# Altium PCB etna-pcb-main.PcbDoc
Units mm, origin at the board's own origin, x right, y up, seen from the top; angles counter-clockwise.
Board outline 70 x 35 mm, 4 copper layers (Top, Ground, Power, Bottom), stack 0.98 mm thick; 89 components, 45 nets, 283 pads, 895 vias.
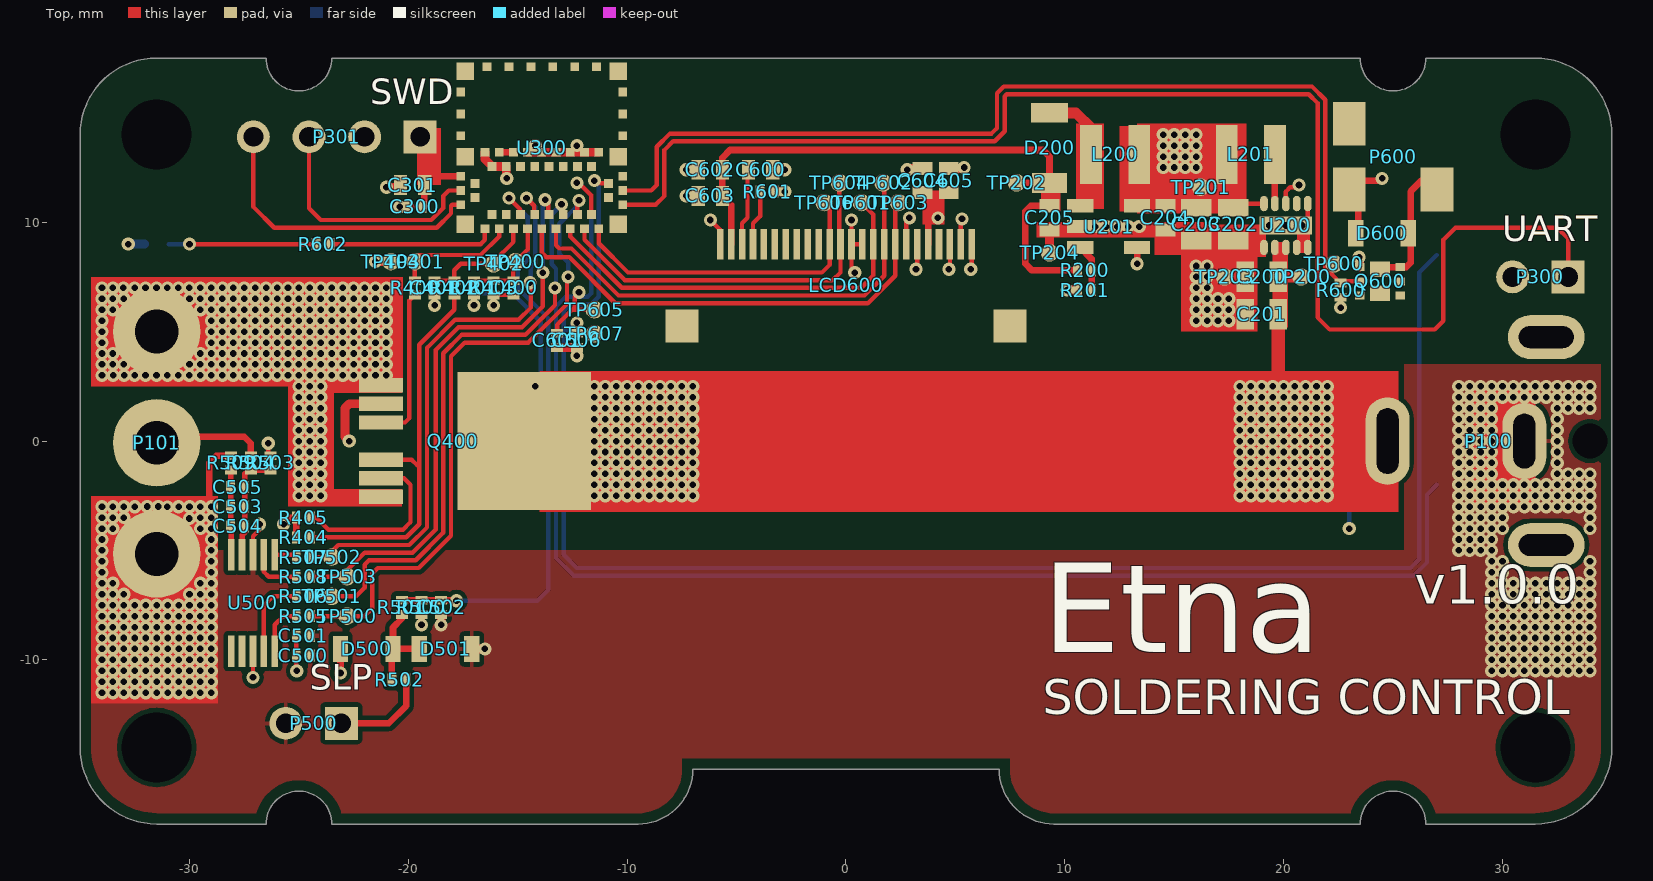
[diagram p0: Top view]
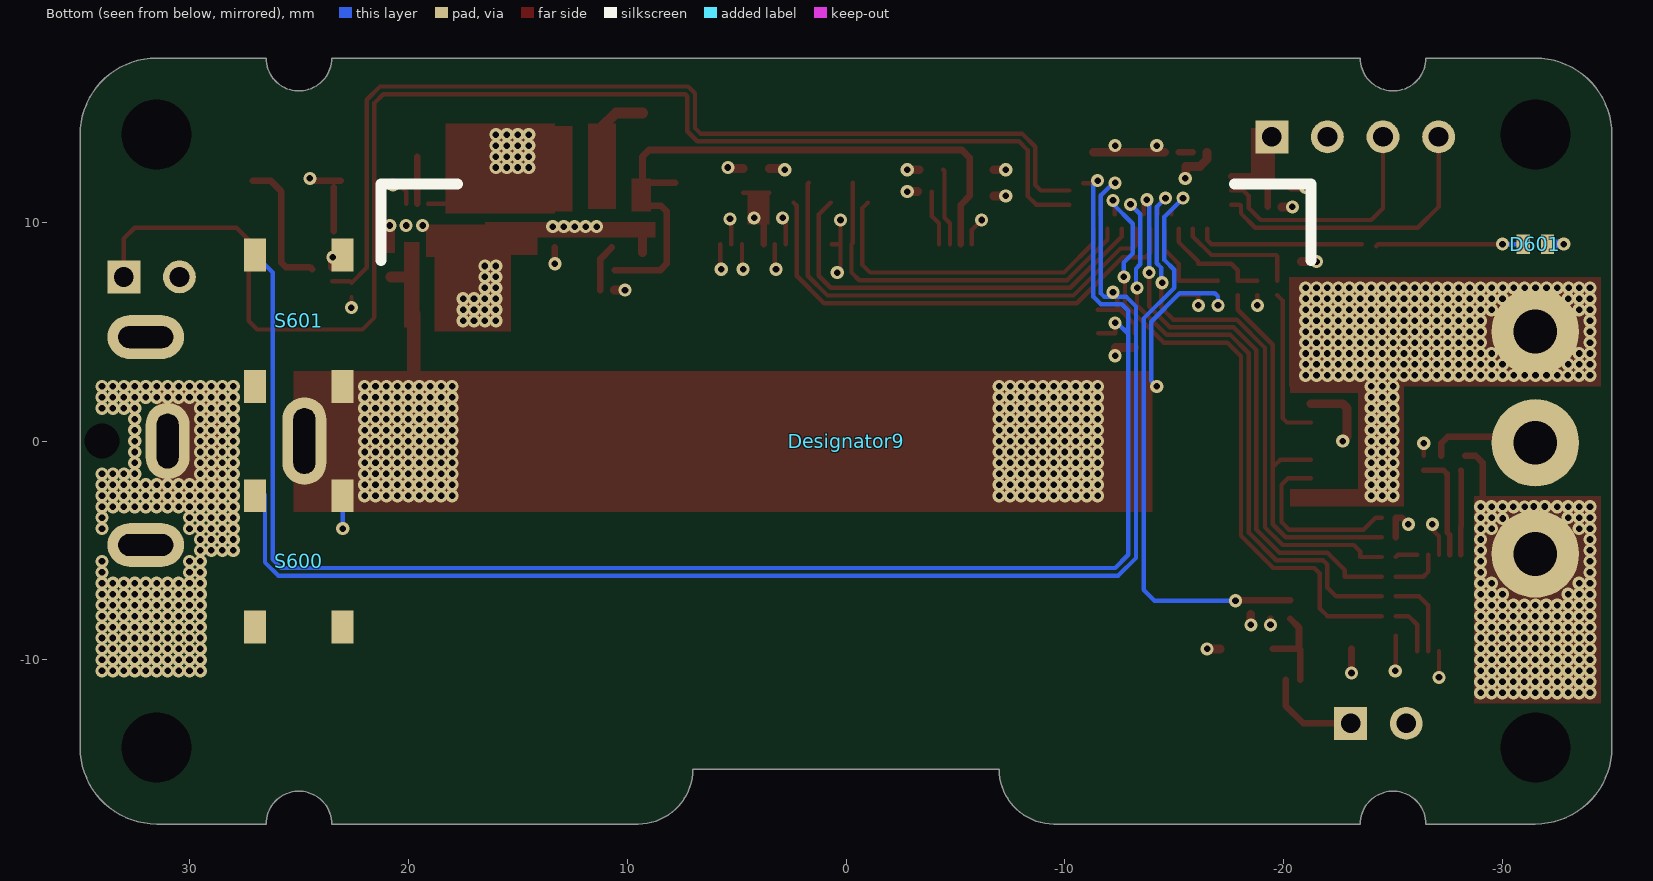
[diagram p1: Bottom view, seen from below]
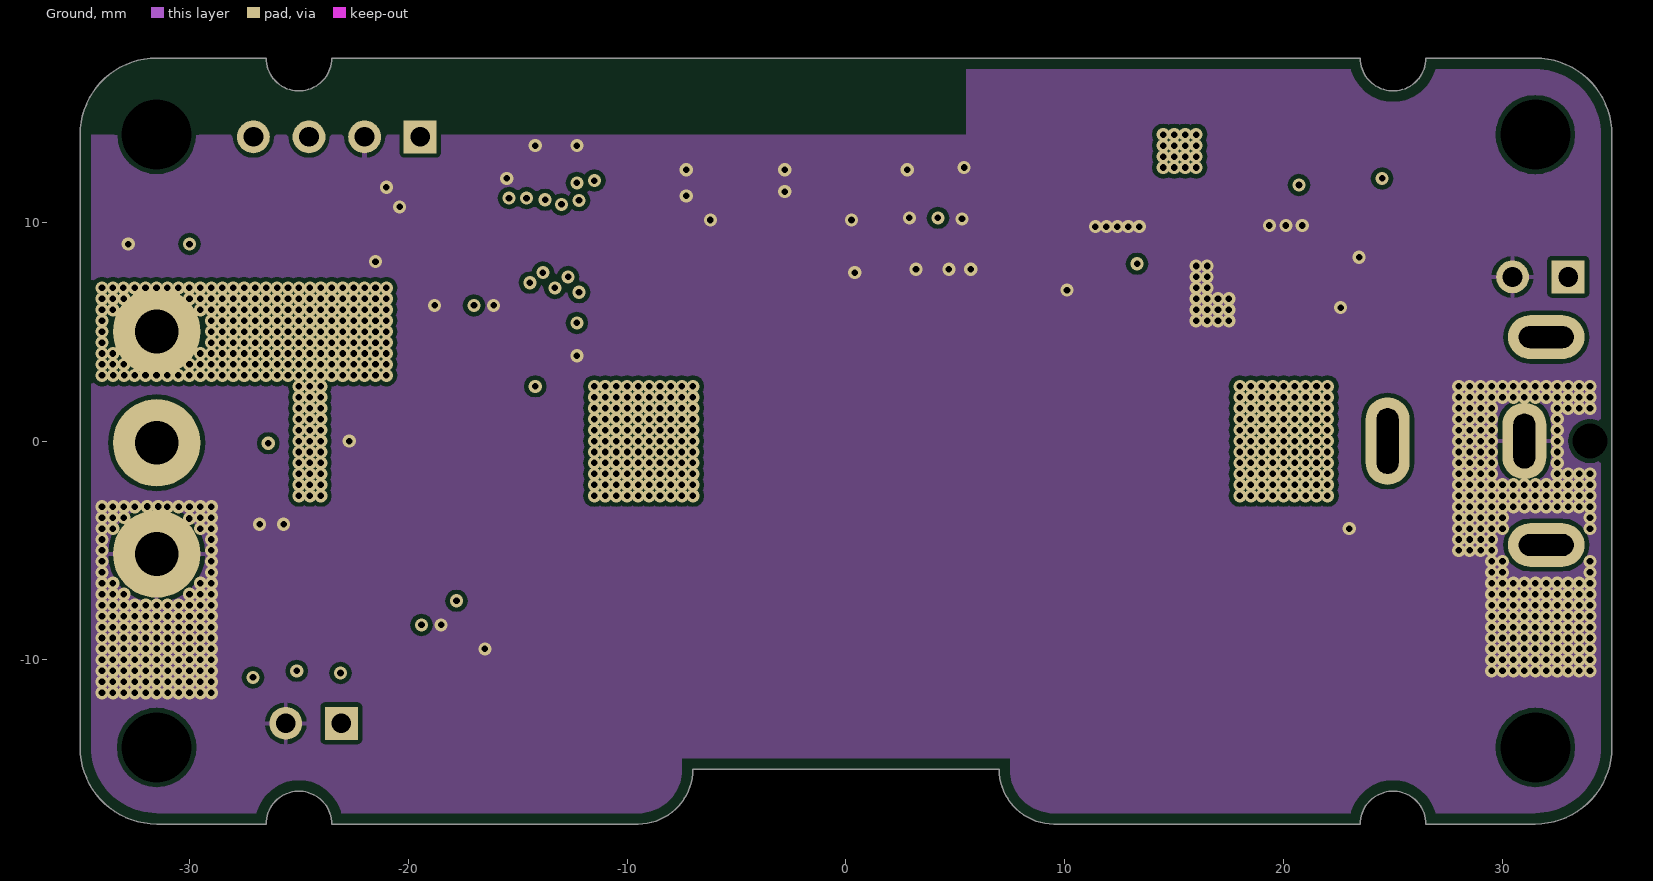
[diagram p2: Ground]
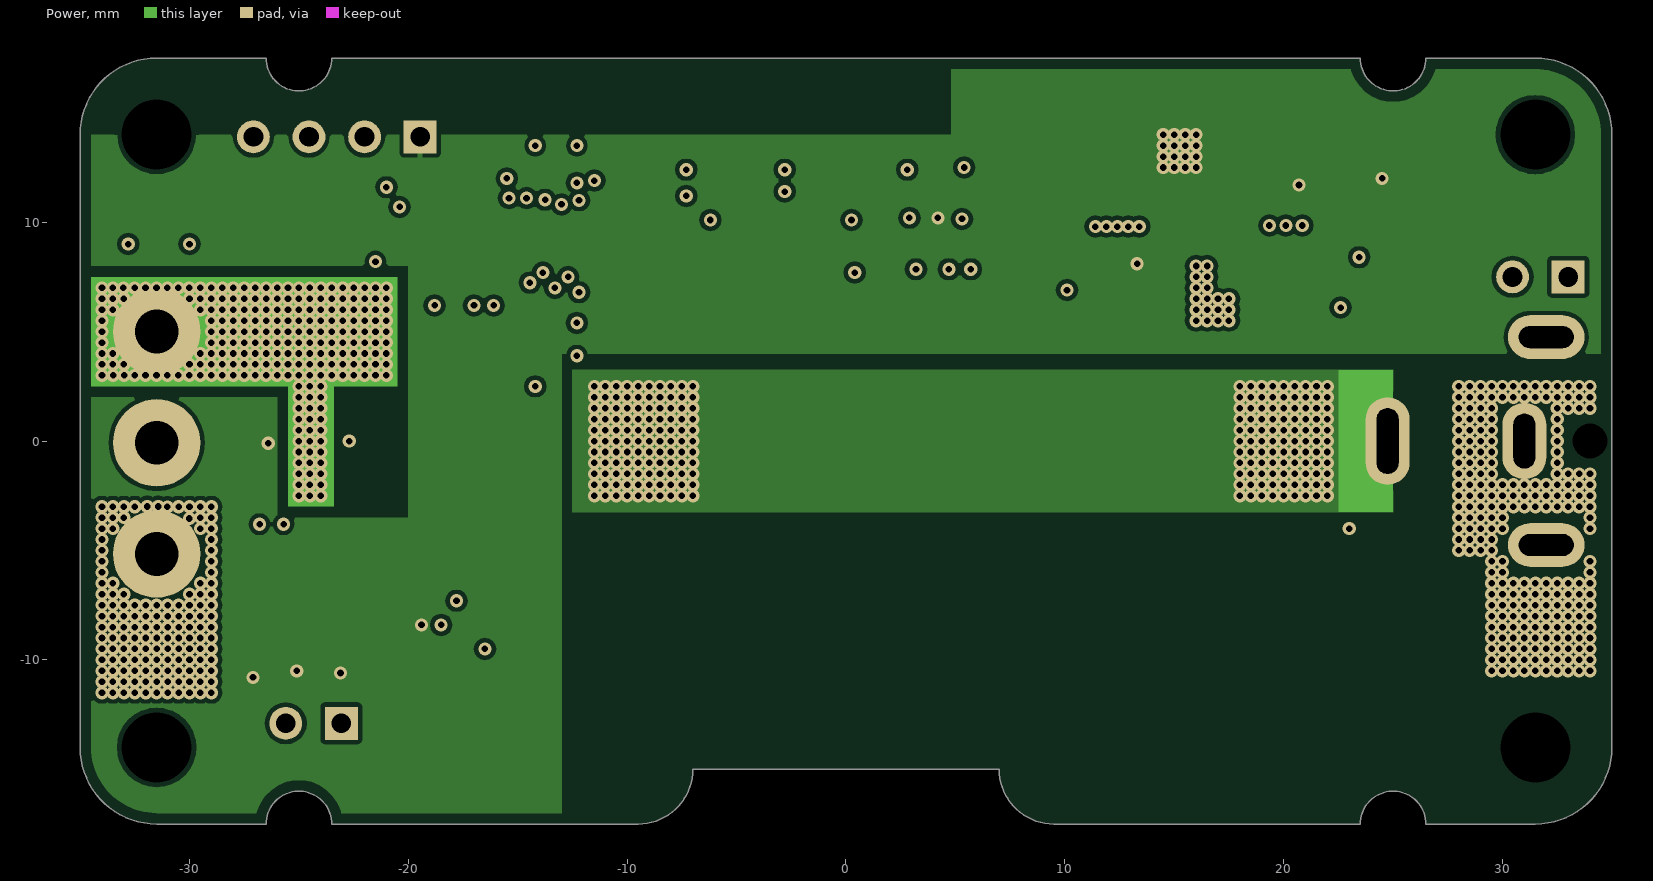
[diagram p3: Power]
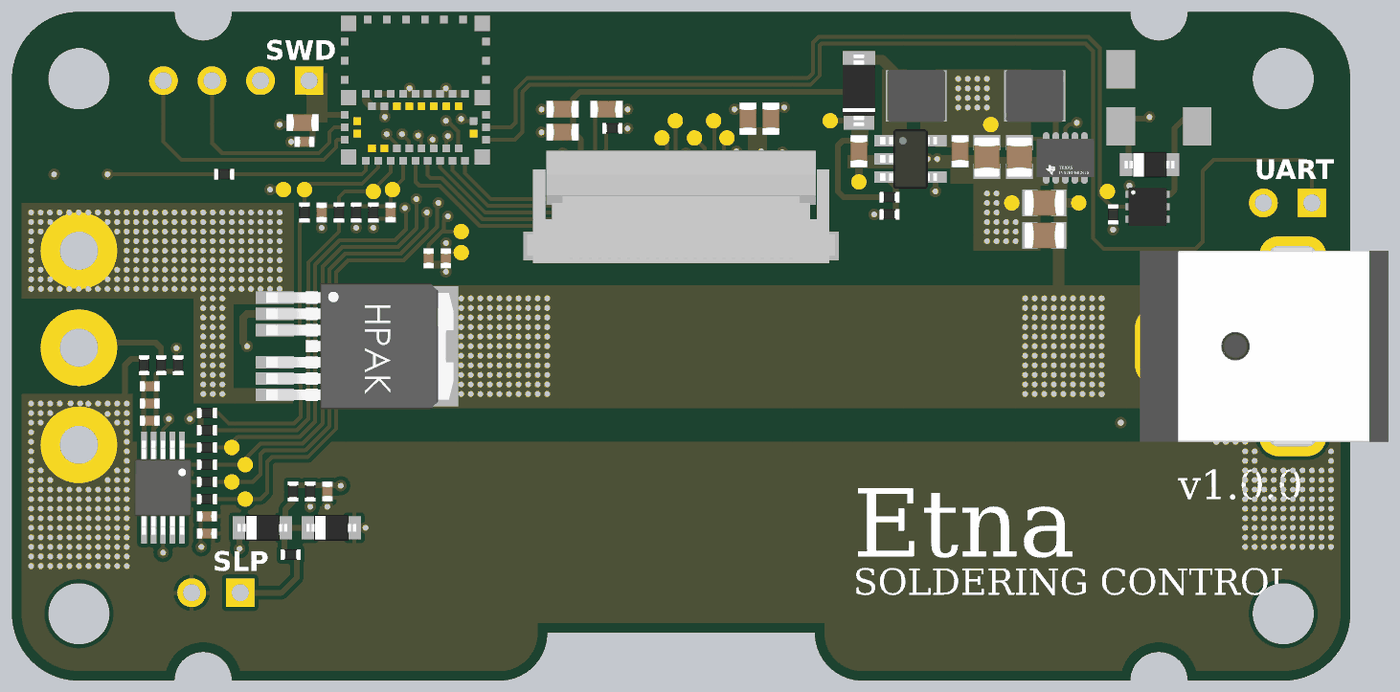
[diagram p4: 3D render of the assembled board from above, using the file's embedded part models]
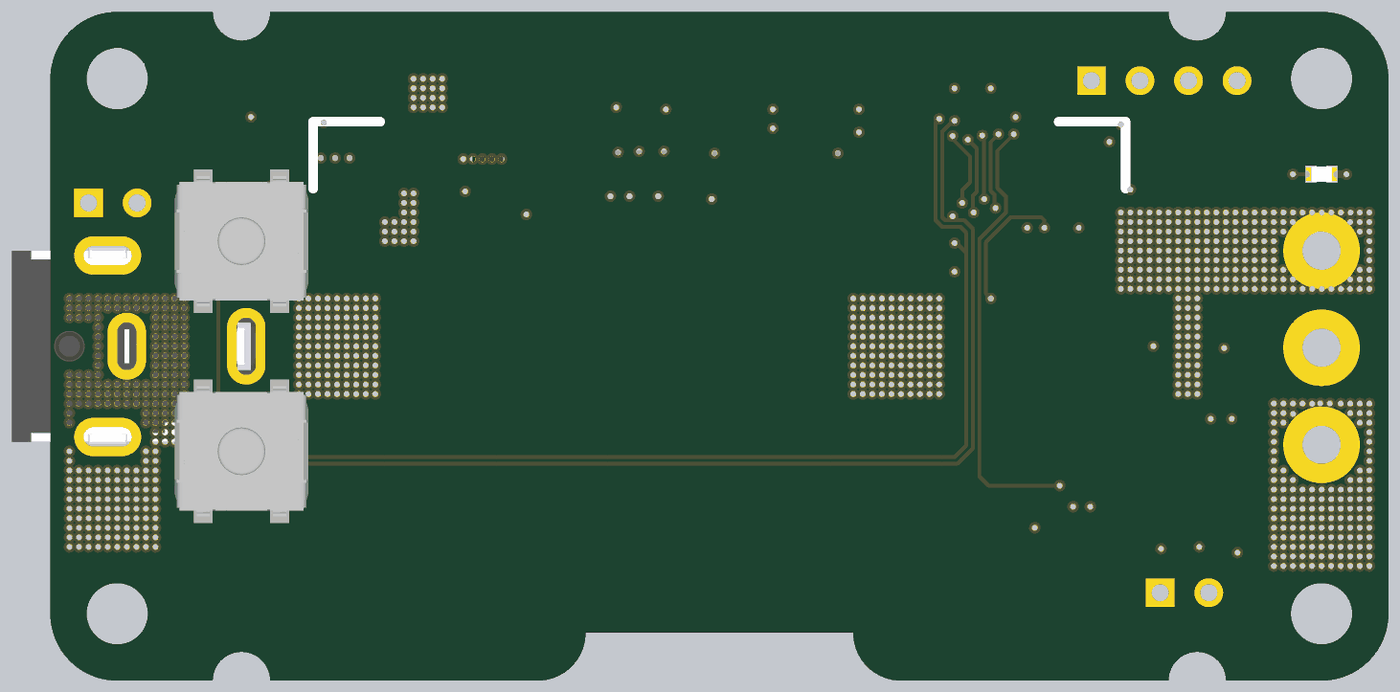
[diagram p5: 3D render of the assembled board from below, using the file's embedded part models]

## Layer stack, top to bottom
Top Solder: solder mask 0.01, Solder Resist, Dk 3.5
Top: signal copper 0.035
Dielectric1: core 0.2, FR-4, Dk 4.8
Ground: signal copper 0.035
Dielectric2: prepreg 0.44, FR-4, Dk 4.8
Power: signal copper 0.035
Dielectric3: core 0.2, FR-4, Dk 4.8
Bottom: signal copper 0.035
Bottom Solder: solder mask 0.01, Solder Resist, Dk 3.5

## Board outline
-31.5,-17.5 -26.5,-17.5 cw(c-25,-17.5) -23.5,-17.5 -9.5,-17.5 ccw(c-9.5,-15) -7,-15 7,-15 ccw(c9.5,-15) 9.5,-17.5 23.5,-17.5 cw(c25,-17.5) 26.5,-17.5 31.5,-17.5 ccw(c31.5,-14) 35,-14 35,14 ccw(c31.5,14) 31.5,17.5 26.5,17.5 cw(c25,17.5) 23.5,17.5 -23.5,17.5 cw(c-25,17.5) -26.5,17.5 -31.5,17.5 ccw(c-31.5,14) -35,14 -35,-14 ccw(c-31.5,-14)

## Design rules (kind name [scope] priority, off if disabled: settings)
Clearance Clearance_1 [InPolygon] p1: gap=0.2 ignorepadtopadclearanceinfootprint=FALSE except(0: Arc-Hole Track-Hole SMDPad-Hole THPad-Hole Via-Hole Fill-Hole Poly-Hole Region-Hole Text-Hole)
Clearance [All] p2: gap=0.15 ignorepadtopadclearanceinfootprint=FALSE except(0: Arc-Hole Track-Hole SMDPad-Hole THPad-Hole Via-Hole Fill-Hole Poly-Hole Region-Hole Text-Hole)
ComponentClearance [All] p1: gap=0 collisioncheckmode=3 verticalgap=0 showdistances=FALSE
DiffPairsRouting [All] p1: maxlimit=0.254 minlimit=0.2 mostfreqgap=0.254 toplayer_minwidth=0.2 toplayer_maxwidth=0.381 toplayer_prefwidth=0.381 midlayer1_minwidth=0.2 midlayer1_maxwidth=0.381 midlayer1_prefwidth=0.381 midlayer2_minwidth=0.2 midlayer2_maxwidth=0.381 midlayer2_prefwidth=0.381 bottomlayer_minwidth=0.2 bottomlayer_maxwidth=0.381 bottomlayer_prefwidth=0.381 maxuncoupledlength=12.7
HoleSize [All] p1: absolutevalues=TRUE maxlimit=10 minlimit=0.1 maxpercent=80.000 minpercent=20.000
HoleToHoleClearance [All] p1: gap=0.1 allowstackedmicrovias=TRUE
MinimumAnnularRing [All] p1: minimumring=0
MinimumSolderMaskSliver [All] p1: minsoldermaskwidth=0.05
PolygonConnect PolygonConnect_via [IsVia] p1: connectstyle=Direct reliefconductorwidth=0.254 reliefentries=4 polygonreliefangle="90 Angle" airgapwidth=0.254
PolygonConnect [All] p2: connectstyle=Relief reliefconductorwidth=0.2 reliefentries=4 polygonreliefangle="90 Angle" airgapwidth=0.2
RoutingVias [All] p1: holewidth=0.2 width=0.4 viastyle="Through Hole" minholewidth=0.2 minwidth=0.4 maxholewidth=2 maxwidth=5
SilkToSilkClearance [All] p1: silktosilkclearance=0
SilkToSolderMaskClearance SilkscreenOverComponentPads [IsPad] p1: minsilkscreentomaskgap=0 clearancetoexposedcopper=TRUE
SolderMaskExpansion [All] p1: expansion=0
Width [All] p1: maxlimit=100 minlimit=0.1 preferedwidth=0.1
23 further rules are at their usual default settings.

## Classes and differential pairs
component class etna-sch-connectors: P100 P101
component class etna-sch-pmic: C200 C201 C202 C203 C204 C205 D200 L200 L201 R200 R201 TP200 TP201 TP202 TP203 TP204 U200 U201
component class etna-sch-sensor: C500 C501 C502 C503 C504 C505 D500 D501 P500 R500 R501 R502 R503 R504 R505 R506 R507 R508 R509 TP500 TP501 TP502 TP503 U500
component class etna-sch-driver: C400 C401 Q400 R400 R401 R402 R403 R404 R405 TP400 TP401 TP402 TP403
component class etna-sch-ui: C600 C601 C602 C603 C604 C605 C606 D600 D601 LCD600 P600 Q600 R600 R601 R602 S601 TP600 TP601 TP602 TP603 TP604 TP605 TP606 TP607
component class etna-sch-mcu: C300 C301 P300 P301 U300

## Components (designator, comment, footprint, x,y, rotation, side; value= is the part's Value field where it differs from the comment)
C200 "2u2 (35V)" 0805-CAP 19,7.5 r0 top
C201 "2u2 (35V)" 0805-CAP 19,5.8 r0 top
C202 "22u" 0805-CAP 17.7,9.9 r90 top
C203 "22u" 0805-CAP 16,9.9 r90 top
C204 "2u2" 0603-capacitor 14.6,10.2 r90 top
C205 "2u2 (16V)" 0603-capacitor 9.3,10.2 r90 top
C300 "1u" 0402-capacitor -19.7,10.7 r0 top
C301 "10u" 0603-capacitor -19.8,11.7 r0 top
C400 "100n" 0402-capacitor -15.2,7 r90 top
C401 "100n" 0402-capacitor -18.8,7 r90 top
C500 "100n" 0402-capacitor -24.8,-9.8 r180 top
C501 "100n" 0402-capacitor -24.8,-8.9 r180 top
C502 "10nF" 0402-capacitor -18.5,-7.6 r90 top
C503 "100n" 0402-capacitor -27.8,-3 r0 top
C504 "1u" 0402-capacitor -27.8,-3.9 r0 top
C505 "100p" 0402-capacitor -27.8,-2.1 r0 top
C600 "4u7" 0603-capacitor -3.9,12.4 r0 top
C601 "100n" 0402-capacitor -13.2,4.6 r90 top
C602 "4u7" 0603-capacitor -6.2,12.4 r180 top
C603 "100n" 0603-capacitor -6.2,11.2 r180 top
C604 "4u7" 0603-capacitor 3.5,11.9 r90 top
C605 "1u" 0603-capacitor 4.7,11.9 r90 top
C606 "100n" 0402-capacitor -12.3,4.6 r90 top
D200 "1N5819HW-7-F" SOD123-DIODE 9.3,13.4 r270 top
D500 "PMEG2010EA,115" SOD-323 -21.9,-9.5 r180 top
D501 "PMEG2010EA,115" SOD-323 -18.3,-9.5 r180 top
D600 "PMEG2010EA,115" SOD-323 24.5,9.5 r180 top
D601 "ASMT-CB20" 0603-LED -31.5,9 r180 bottom
Designator9 "Comment" ER-OLED015-2W 0,0 r180 bottom locked
L200 "SRN3015-100M" SRN3015 12.3,13.1 r270 top
L201 "SRN3015-100M" SRN3015 18.5,13.1 r270 top
LCD600 "ER-OLED015-2" XF2M-2415-1A-REV 0,9 r0 top locked
P100 "PJ-063AH" PJ-063AH 34,0 r270 top locked
P101 "" 3x3x3 -31.5,-0.08 r270 top locked
P300 "" HDR1X2 33,7.5 r180 top locked
P301 "" HDR1X4 -19.46,13.9 r180 top locked
P500 "" HDR1X2 -23.06,-12.9 r180 top locked
P600 "KSSG23J12" KSSG23J12 25,13 r0 top
Q400 "VN5E010AH" HPAK6 -14.7,0 r270 top
Q600 "DMN2050LFDB" U-DFN2020-6 24.4,7.3 r0 top
R200 "100K" 0402-resistor 10.9,7.8 r180 top
R201 "11.8K" 0402-resistor 10.9,6.9 r180 top
R400 "10K" 0402-resistor -19.7,7 r90 top
R401 "90K" 0402-resistor -17,7 r90 top
R402 "10K" 0402-resistor -17.9,7 r90 top
R403 "10K" 0402-resistor -16.1,7 r270 top
R404 "10K" 0402-resistor -24.8,-4.4 r180 top
R405 "10K" 0402-resistor -24.8,-3.5 r180 top
R500 "100K" 0402-resistor -19.4,-7.6 r90 top
R501 "1K" 0402-resistor -20.3,-7.6 r270 top
R502 "10R" 0402-resistor -20.425,-10.9 r0 top
R503 "4M7" 0402-resistor -26.3,-1 r270 top
R504 "470R" 0402-resistor -27.2,-1 r270 top
R505 "51R" 0402-resistor -24.8,-8 r0 top
R506 "51R" 0402-resistor -24.8,-7.1 r0 top
R507 "51R" 0402-resistor -24.8,-5.3 r0 top
R508 "51R" 0402-resistor -24.8,-6.2 r0 top
R509 "0R" 0402-resistor -28.1,-1 r270 top
R600 "100K" 0402-resistor 22.6,6.9 r90 top
R601 "910K" 0402-resistor -3.6,11.4 r180 top
R602 "0R" 0402-resistor -23.9,9 r0 top
S600 "B3SE-1002P" B3SE-1002P 25,-5.5 r270 bottom locked
S601 "B3SE-1002P" B3SE-1002P 25,5.5 r270 bottom
TP200 "TP" TESTPOINT 20.8,7.5 r90 top
TP201 "TP" TESTPOINT 16.2,11.6 r90 top
TP202 "TP" TESTPOINT 7.8,11.8 r270 top
TP203 "TP" TESTPOINT 17.3,7.5 r90 top
TP204 "TP" TESTPOINT 9.3,8.6 r270 top
TP400 "TP" TESTPOINT -15.1,8.2 r0 top
TP401 "TP" TESTPOINT -19.7,8.2 r0 top
TP402 "TP" TESTPOINT -16.1,8.1 r0 top
TP403 "TP" TESTPOINT -20.8,8.2 r180 top
TP500 "TP" TESTPOINT -22.8,-8 r0 top
TP501 "TP" TESTPOINT -23.5,-7.1 r0 top
TP502 "TP" TESTPOINT -23.5,-5.3 r0 top
TP503 "TP" TESTPOINT -22.8,-6.2 r0 top
TP600 "TP" TESTPOINT 22.3,8.1 r180 top
TP601 "TP" TESTPOINT 0.7,10.9 r0 top
TP602 "TP" TESTPOINT 1.7,11.8 r0 top
TP603 "TP" TESTPOINT 2.4,10.9 r0 top
TP604 "TP" TESTPOINT -0.3,11.8 r0 top
TP605 "TP" TESTPOINT -11.5,6 r0 top
TP606 "TP" TESTPOINT -1,10.9 r0 top
TP607 "TP" TESTPOINT -11.5,4.9 r0 top
U200 "TPS62177" WSON10 20.1,9.85 r90 top
U201 "AP3012" SOT-235 12,9.8 r0 top
U300 "ISP1507" ISP1507 -13.9,13.4 r180 top
U500 "ADS1118" VSSOP-10 -27.1,-7.4 r270 top
? "" ER-OLED015-2W 0,0 r180 bottom locked

## Footprints (in the part's own frame and the unit in brackets; to place one, negate y for a bottom-side part, rotate by r counter-clockwise, add the part's x,y. Pads: shape width x height; smd on the part's side, far side on the other; paste and mask are expansions set on the pad)
3x3x3 [mm]
  round 4 hole 2 mask+0: 1(-5.08,0) 2(0,0) 3(5.08,0)
0402-capacitor [mm]
  rect 0.4x0.55 smd paste+0 mask+0: 1(-0.325,0) 2(0.325,0)
  body extent -0.52,-0.27 0.53,0.28, height 0.55
0402-resistor [mm]
  rect 0.4x0.55 smd paste+0 mask+0: 1(-0.325,0) 2(0.325,0)
  body extent -0.52,-0.27 0.53,0.28, height 0.4
0603-capacitor [mm]
  rect 0.6x0.9 smd paste+0 mask+0: 1(-0.55,0)
  rect 0.6x0.9 smd mask+0: 2(0.55,0)
  body extent -0.85,-0.45 0.85,0.45, height 0.9
0603-LED [mm]
  rect 0.6x0.9 smd paste+0 mask+0: 1(-0.55,0)
  rect 0.6x0.9 smd mask+0: 2(0.55,0)
  body extent -0.8,-0.39 0.8,0.39, height 0.7
0805-CAP [mm] "Chip Resistor, Body 2.0x1.2mm, IPC Medium Density"
  rect 0.8x1.4 smd paste+0 mask+0: 1(-0.75,0) 2(0.75,0)
  body extent -1.05,-0.67 1.05,0.68, height 0.95
B3SE-1002P [mm]
  rect 1.5x1 smd mask+0: 1(-3,2) 2(-3,-2) 3(3,2) 4(3,-2)
  body extent -3.4,-3.5 3.4,3.5, height 2
ER-OLED015-2W [mm]
  silkscreen extent -21.25,8.25 21.25,11.75, body extent -21,-15.5 21,11.5, height 1.45
HDR1X2 [mm] "Connector; Header; 2 Position"
  rect 1.5x1.5 hole 0.9: 1(0,0)
  round 1.5 hole 0.9: 2(2.54,0)
HDR1X4 [mm] "Connector; Header; 4 Position"
  rect 1.5x1.5 hole 0.9: 1(0,0)
  round 1.5 hole 0.9: 2(2.54,0) 3(5.08,0) 4(7.62,0)
HPAK6 [mm]
  rect 0.65x2 smd mask+0: 1(-2.55,-6.55) 2(-1.7,-6.55) 3(-0.85,-6.55) 5(0.85,-6.55) 6(1.7,-6.55) 7(2.55,-6.55)
  rect 6.3x6.1 smd mask+0: 4(0,0)
  body extent -3.3,-7 3.3,2.8, height 2.4
ISP1507 [mm] "High Performance Bluetooth+ANT+NFC Low Energy Module with MCU and Antenna"
  rect 0.8x0.8 smd paste+0 mask+0: 1(-3.5,3.5) 7(-3.5,0.4) 25(3.5,0.4) 31(3.5,3.5) 52(-3.5,-3.5) 59(3.5,-3.5)
  rect 0.4x0.4 smd paste+0 mask+0: 2(-3.7,2.6) 4(-3.7,1.95) 5(-3.05,1.625) 6(-3.7,1.3) 8(-2.6,0.2) 10(-1.95,0.2) 12(-1.3,0.2) 14(-0.65,0.2) 16(0,0.2) 18(0.65,0.2) 20(1.3,0.2) 21(1.625,0.85) 22(1.95,0.2) 23(2.275,0.85) 24(2.6,0.2) 26(3.7,1.3) 28(3.7,1.95) 30(3.7,2.6) 32(2.6,3.7) 34(1.95,3.7) 36(1.3,3.7) 37(0.975,3.05) 38(0.65,3.7) 39(0.325,3.05) 40(0,3.7) 41(-0.325,3.05) 42(-0.65,3.7) 43(-0.975,3.05) 44(-1.3,3.7) 45(-1.625,3.05) 46(-1.95,3.7) 47(-2.275,3.05) 48(-2.6,3.7) 49(-3.7,-0.55) 50(-3.7,-1.55) 51(-3.7,-2.55) 53(-2.5,-3.7) 54(-1.5,-3.7) 55(-0.5,-3.7) 56(0.5,-3.7) 57(1.5,-3.7) 58(2.5,-3.7) 60(3.7,-2.55) 61(3.7,-1.55) 62(3.7,-0.55)